# Allegro board RK_NVR_DEMO1_RK3588_LP4XD200P232SD8_V21_20211228_final_lint.brd (continued)
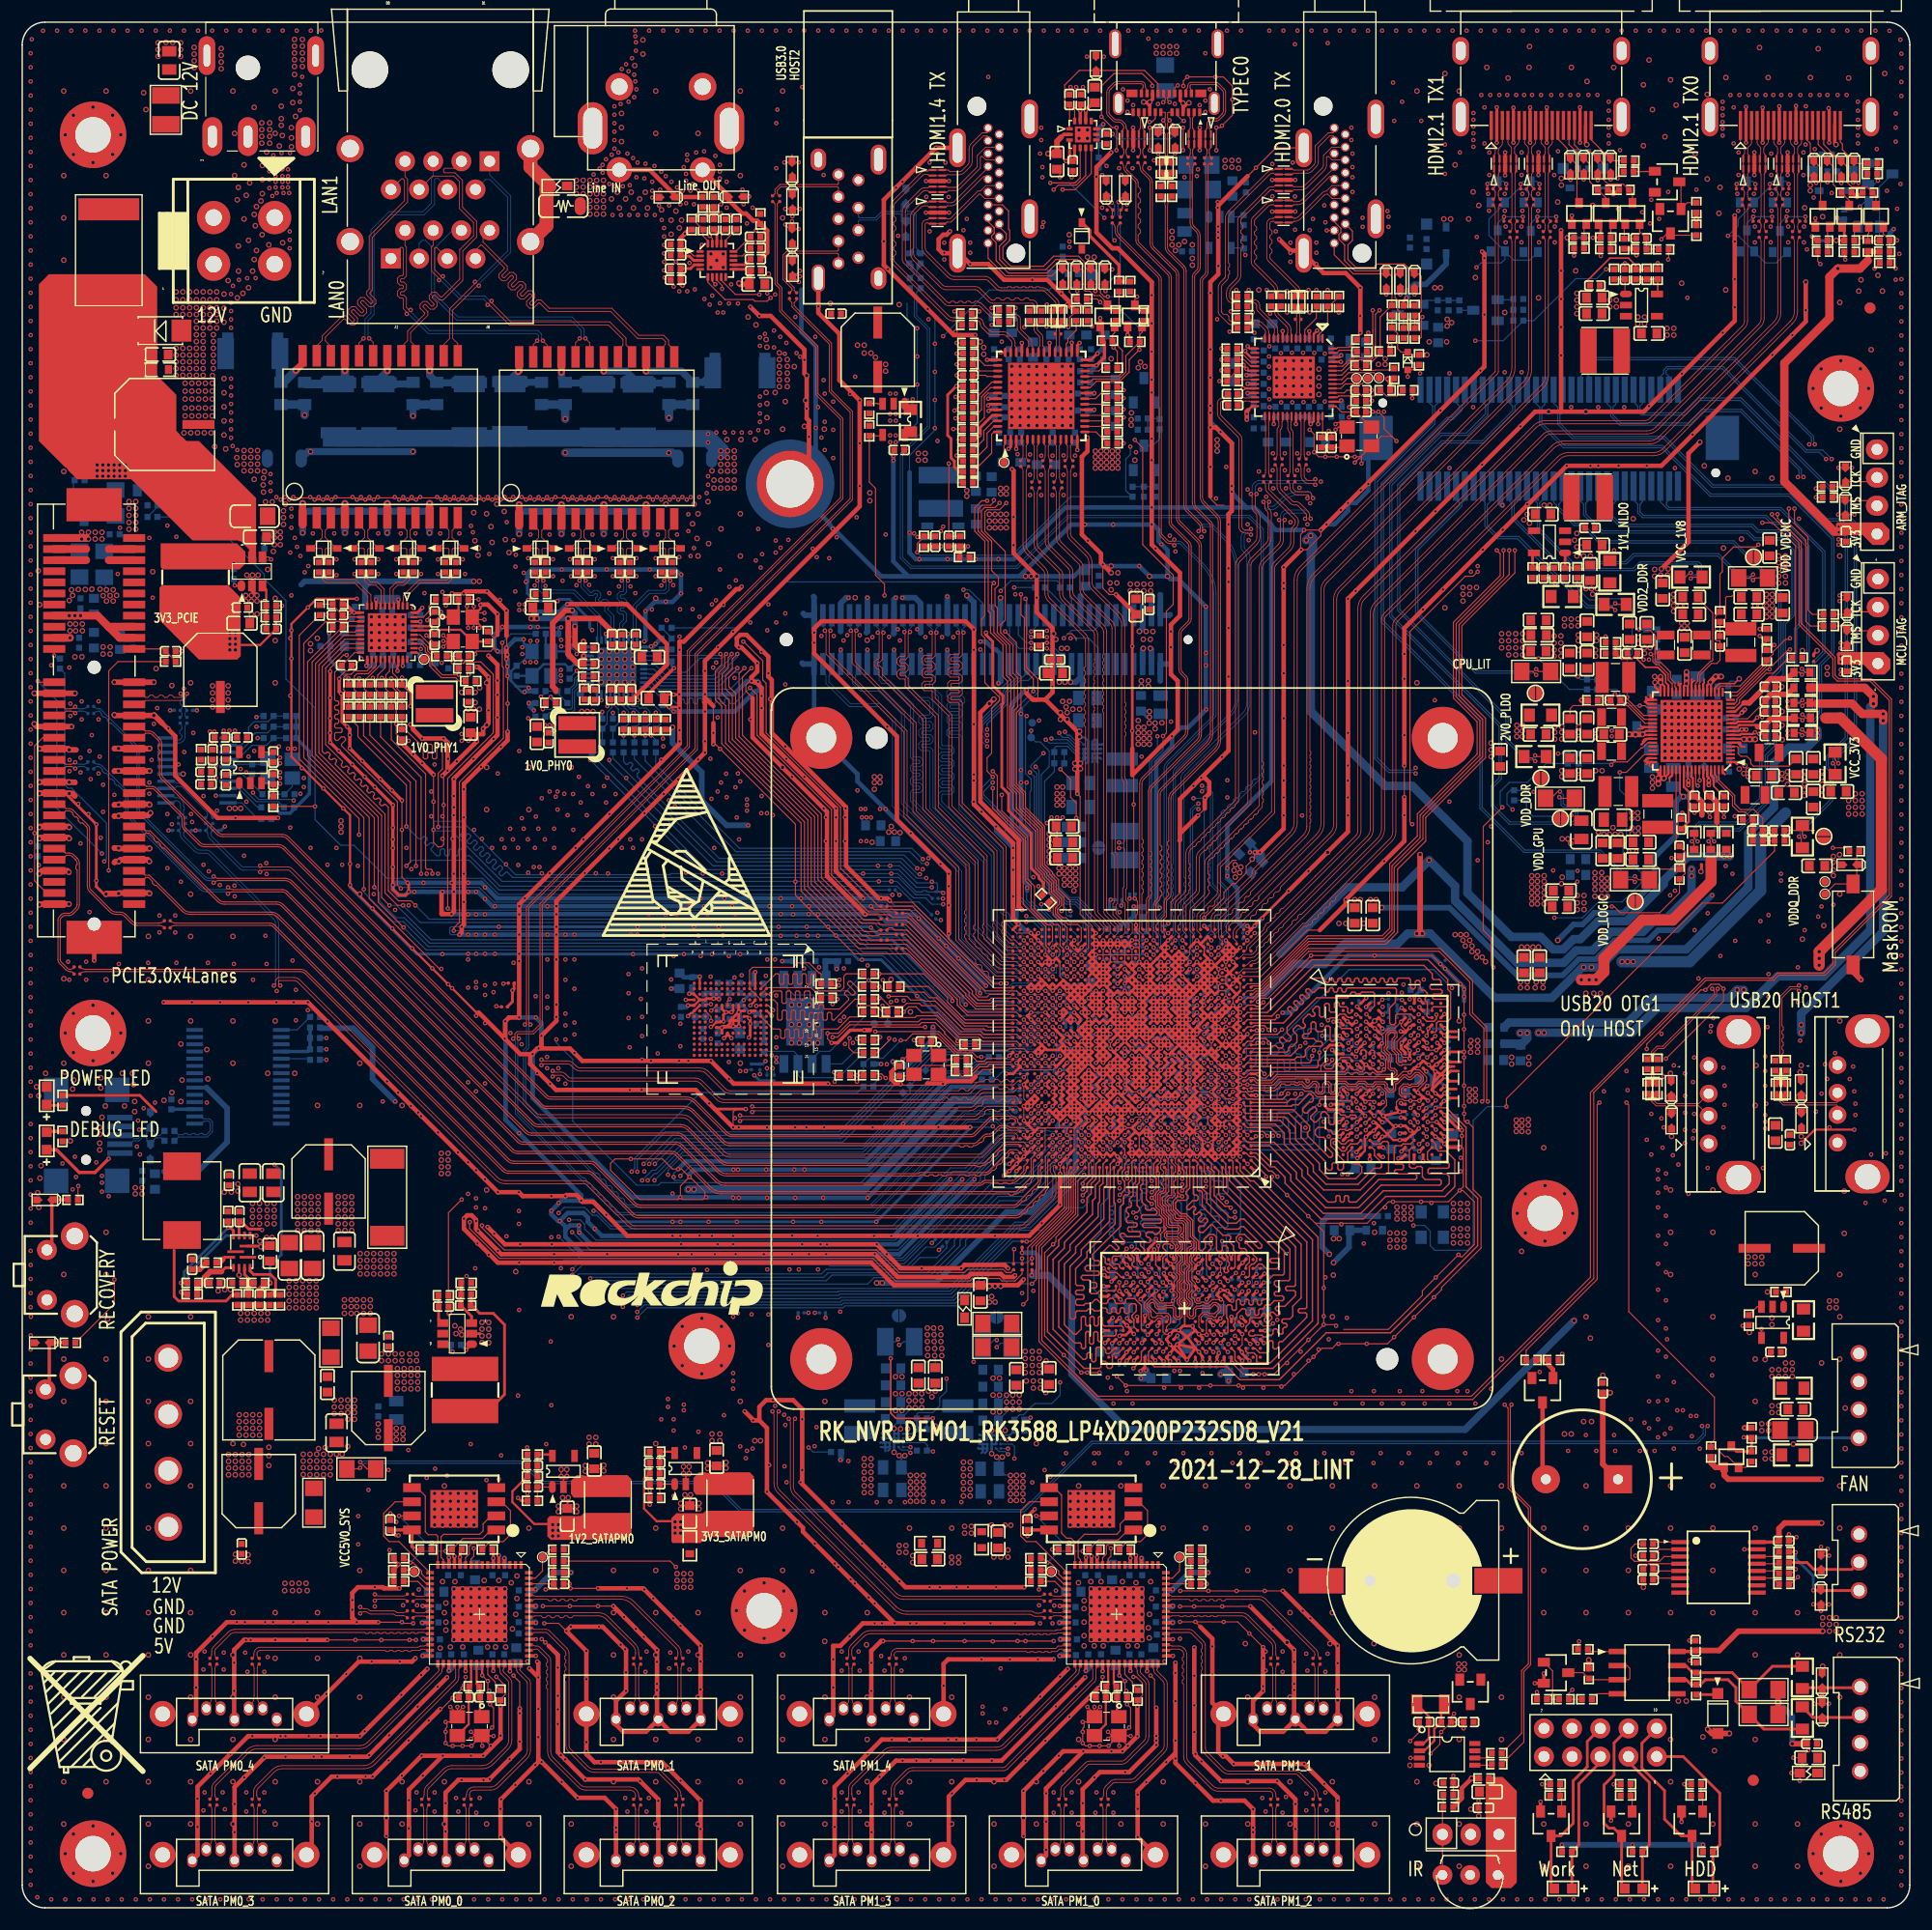
[diagram p0: board, top side]
## Routing (per net, layer and track width the routed paths; a pad name or vN(x,y) marks a point on that pad's centre or on a via; arc(x,y) is an arc through that point) (continued)
  vias: v1(0.76,167.17) v1(0.76,165.9) v1(0.76,164.63) v1(0.76,163.36) v1(0.76,162.09) v1(0.76,160.82) v1(0.76,159.55) v1(0.76,158.28) v1(0.76,157.01) v1(0.76,155.74) v1(0.76,154.47) v1(0.76,153.2) v1(0.76,151.93) v1(0.76,150.66) v1(0.76,149.39) v1(0.76,148.12) v1(0.76,146.85) v1(0.76,145.58) v1(0.76,144.31) v1(0.76,143.04) v1(0.76,141.77) v1(0.76,140.5) v1(0.76,139.23) v1(0.76,137.96) v1(0.76,136.69) v1(0.76,135.42) v1(0.76,134.15) v1(0.76,132.88) v1(0.76,131.61) v1(0.76,130.34) v1(0.76,129.07) v1(0.76,127.8) v1(0.76,126.53) v1(0.76,125.26) v1(0.76,123.99) v1(0.76,122.72) v1(0.76,121.45) v1(0.76,120.18) v1(0.76,118.91) v1(0.76,117.64) v1(0.76,116.37) v1(0.76,115.1) v1(0.76,113.83) v1(0.76,112.56) v1(0.76,111.29) v1(0.76,110.02) v1(0.76,108.75) v1(0.76,107.48) v1(0.76,106.21) v1(0.76,104.94) v1(0.76,103.67) v1(0.76,102.4) v1(0.76,101.13) v1(0.76,99.86) v1(0.76,98.59) v1(0.76,97.32) v1(0.76,96.05) v1(0.76,94.78) v1(0.76,93.51) v1(0.76,92.24) v1(0.76,90.97) v1(0.76,89.7) v1(0.76,88.43) v1(0.76,87.16) v1(0.76,85.89) v1(0.76,84.62) v1(0.76,83.35) v1(0.76,82.08) v1(0.76,80.81) v1(0.76,79.54) v1(0.76,78.27) v1(0.76,77) v1(0.76,75.73) v1(0.76,74.46) v1(0.76,73.19) v1(0.76,70.65) v1(0.76,69.38) v1(0.76,68.11) v1(0.76,66.84) v1(0.76,65.57) v1(0.76,64.3) v1(0.76,63.03) v1(0.76,61.76) v1(0.76,59.22) v1(0.76,57.95) v1(0.76,56.68) v1(0.76,55.41) v1(0.76,54.14) v1(0.79,53.28) v1(0.76,51.6) v1(0.76,50.33) v1(0.76,49.06) v1(0.76,47.79) v1(0.76,46.52) v1(0.76,45.25) v1(0.76,43.98) v1(0.76,42.71) v1(0.76,41.44) v1(0.76,40.17) v1(0.76,38.9) v1(0.76,37.63) v1(0.76,36.36) v1(0.76,35.09) v1(0.76,33.82) v1(0.76,32.55) v1(0.76,31.28) v1(0.76,30.01) v1(0.76,28.74) v1(0.76,27.47) v1(0.76,26.2) v1(0.76,24.93) v1(0.76,23.66) v1(0.76,22.39) v1(0.76,21.12) v1(0.76,19.85) v1(0.76,18.58) v1(0.76,17.31) v1(0.76,16.04) v1(0.76,14.77) v1(0.76,13.5) v1(0.76,12.23) v1(0.76,10.96) v1(0.76,9.69) v1(0.76,8.42) v1(0.76,7.15) v1(0.76,5.88) v1(0.76,4.61) v1(0.76,3.34) v1(0.76,2.07) v1(0.86,168.44) v1(1.36,0.95) v1(1.88,169.21) v1(2.61,112.01) v1(2.62,0.76) v1(3.15,169.21) v1(3.63,67.1) v1(3.89,0.76) v1(4.14,85.29) v1(4.24,111.8) v1(4.27,103.47) v1(4.27,102.46) v1(4.24,83.66) v1(4.42,169.21) v1(4.34,108.55) v1(4.34,107.43) v1(4.54,64.76) v1(4.75,67.71) v1(4.85,65.88) v1(5.05,99.51) v1(5.16,0.76) v1(5.26,103.67) v1(5.26,102.35) v1(5.26,95.95) v1(5.36,108.75) v1(5.36,107.13) v1(5.69,169.21) v1(5.76,85.29) v1(5.76,83.66) v1(5.97,98.6) v1(6.07,104.28) v1(6.07,89.76) v1(6.17,101.74) v1(6.27,105.71) v1(6.43,0.76) v1(6.68,67.2) v1(6.88,108.75) v1(6.88,107.13) v1(6.88,102.25) v1(6.96,169.21) v1(6.98,103.78) v1(7.08,96.46) v1(7.19,65.98) v1(7.19,65.37) v1(7.19,64.56) v1(7.29,101.24) v1(7.29,98.8) v1(7.7,0.76) v1(7.8,64.15) v1(8.23,169.21) v1(8.3,100.32) v1(8.61,120.24) v1(8.71,85.08) v1(8.81,124.4) v1(8.97,0.76) v1(9.5,169.21) v1(10.24,0.76) v1(10.34,68.62) v1(10.44,70.96) v1(10.54,70.15) v1(10.61,67.91) v1(10.77,169.21) v1(10.95,72.08) v1(11.35,85.18) v1(11.45,123.49) v1(11.45,101.44) v1(11.45,100.42) v1(11.51,0.76) v1(11.66,103.47) v1(11.76,118.1) v1(11.86,106.72) v1(11.96,72.59) v1(12.04,169.21) v1(12.16,108.15) v1(12.37,89.45) v1(12.37,87.93) v1(12.78,0.76) v1(13.08,124.6) v1(13.08,98.6) v1(13.08,93.72) v1(13.18,106.32) v1(13.31,169.21) v1(13.49,97.68) v1(13.79,89.45) v1(13.79,87.93) v1(13.89,123.59) v1(13.89,85.18) v1(14.09,103.07) v1(14.05,0.76) v1(14.3,92.5) v1(14.58,169.21) v1(14.58,109.9) v1(14.6,104.18) v1(15.21,98.6) v1(15.31,97.88) v1(15.32,0.76) v1(15.42,105.91) v1(15.85,169.21) v1(16.33,100.22) v1(16.33,94.02) v1(16.33,21.48) v1(16.33,8.78) v1(16.43,23.11) v1(16.43,10.41) v1(16.59,0.76) v1(16.63,72.59) v1(16.81,93.44) v1(16.74,85.18) v1(16.91,106.03) v1(16.91,104.97) v1(16.94,102.96) v1(16.94,101.85) v1(17.12,169.21) v1(17.32,106.03) v1(17.32,104.97) v1(17.45,102.96) v1(17.45,101.85) v1(17.55,98.9) v1(17.8,92.19) v1(17.86,0.76) v1(18.06,10.41) v1(18.16,23) v1(18.16,21.48) v1(18.26,8.88) v1(18.39,169.21) v1(18.82,145.47) v1(18.82,144.71) v1(18.82,143.94) v1(18.82,143.18) v1(18.82,142.42) v1(18.82,137.85) v1(18.82,137.09) v1(18.82,136.32) v1(18.82,135.56) v1(18.82,134.8) v1(18.82,134.04) v1(18.82,133.28) v1(18.82,132.51) v1(18.99,146.21) v1(18.97,131.77) v1(19.07,85.08) v1(19.12,92.14) v1(19.15,91.18) v1(19.13,0.76) v1(19.38,131.41) v1(19.52,146.75) v1(19.66,169.21) v1(19.68,102.66) v1(19.99,94.84) v1(20.09,23) v1(20.2,99.71) v1(20.19,10.41) v1(20.19,8.68) v1(20.27,146.91) v1(20.29,21.28) v1(20.39,103.78) v1(20.4,0.76) v1(20.8,83.66) v1(20.9,104.28) v1(20.93,169.21) v1(21.03,146.91) v1(21.67,0.76) v1(21.82,21.28) v1(21.82,10.41) v1(21.82,8.68) v1(21.99,94.18) v1(21.92,87.62) v1(22.02,93.18) v1(22.02,85.08) v1(22.2,169.21) v1(22.12,22.6) v1(22.27,157.31) v1(22.27,156.55) v1(22.27,155.78) v1(22.27,155.02) v1(22.38,129.24) v1(22.38,128.48) v1(22.38,127.72) v1(22.54,154.31) v1(22.63,157.98) v1(22.83,157.32) v1(22.83,156.71) v1(22.83,156.1) v1(22.83,155.59) v1(22.83,155.08) v1(22.9,127.17) v1(22.93,154.58) v1(22.93,82.64) v1(22.94,0.76) v1(23.14,104.69) v1(23.3,126.94) v1(23.24,103.67) v1(23.24,103.17) v1(23.24,102.35) v1(23.24,101.85) v1(23.24,101.34) v1(23.36,158.18) v1(23.47,169.21) v1(23.44,157.32) v1(23.44,156.71) v1(23.44,156.1) v1(23.44,155.59) v1(23.44,155.08) v1(23.54,154.58) v1(23.67,127.17) v1(23.95,157.32) v1(23.95,156.71) v1(23.95,156.1) v1(23.95,155.59) v1(23.95,155.08) v1(23.95,104.49) v1(24.05,154.58) v1(24.1,151.12) v1(24.1,150.36) v1(24.1,149.59) v1(24.12,158.18) v1(24.15,122.17) v1(24.15,114.44) v1(24.15,109.26) v1(24.15,97.38) v1(24.21,0.76) v1(24.25,126.13) v1(24.25,125.42) v1(24.25,124.4) v1(24.25,118.31) v1(24.36,85.39) v1(24.43,127.17) v1(24.56,123.49) v1(24.56,104.49) v1(24.66,82.75) v1(24.66,80) v1(24.74,169.21) v1(24.76,122.67) v1(25.02,164.32) v1(25.02,163.56) v1(25.02,162.8) v1(25.02,162.04) v1(25.07,121.86) v1(25.07,100.42) v1(25.19,102.74) v1(25.23,165.06) v1(25.37,101.85) v1(25.37,101.03) v1(25.45,120.39) v1(25.48,0.76) v1(25.78,120.95) v1(26.01,169.21) v1(25.95,127.17) v1(25.98,95.55) v1(26.19,123.89) v1(26.71,127.17) v1(26.75,0.76) v1(26.95,169.23) v1(27.48,127.17) v1(27.45,116.58) v1(27.51,94.02) v1(27.51,79.9) v1(28.02,0.76) v1(28.12,123.89) v1(28.24,127.17) v1(28.32,121.56) v1(28.32,120.13) v1(28.83,94.02) v1(29.29,0.76) v1(29.76,127.17) v1(29.94,121.56) v1(29.94,120.24) v1(30.15,123.89) v1(30.25,93.92) v1(30.52,127.17) v1(30.56,0.76) v1(30.66,103.37) v1(31.29,127.17) v1(31.6,110.86) v1(31.67,91.38) v1(31.83,0.76) v1(32.05,127.17) v1(32.08,123.89) v1(32.08,121.56) v1(32.08,120.24) v1(32.28,101.74) v1(32.41,110.86) v1(32.48,72.69) v1(33.09,32.25) v1(33.1,0.76) v1(33.3,100.73) v1(33.57,127.17) v1(33.6,89.96) v1(33.7,121.56) v1(33.7,120.24) v1(33.7,34.79) v1(34.11,123.89) v1(34.31,27.27) v1(34.33,127.17) v1(34.37,0.76) v1(34.82,105.2) v1(34.82,90.37) v1(35.1,127.17) v1(35.06,93.63) v1(35.02,72.28) v1(35.23,117.19) v1(35.43,123.89) v1(35.43,8.78) v1(35.58,27.27) v1(35.53,10.41) v1(35.64,0.76) v1(35.74,28.69) v1(35.86,127.17) v1(35.84,121.56) v1(35.94,120.24) v1(35.94,71.37) v1(36.24,118.51) v1(36.45,93.21) v1(36.45,38.75) v1(36.85,100.63) v1(36.85,98.39) v1(36.91,0.76) v1(37.16,103.07) v1(37.2,39.58) v1(37.16,10.41) v1(37.16,8.68) v1(37.38,127.17) v1(37.46,121.56) v1(37.46,120.24) v1(37.46,93.21) v1(37.67,123.89) v1(37.87,118.61) v1(37.87,98.39) v1(37.87,96.36) v1(38.14,127.17) v1(38.18,0.76) v1(38.28,38.96) v1(38.38,103.57) v1(38.38,83.25) v1(38.81,112.29) v1(38.78,96.36) v1(38.91,127.17) v1(38.89,100.22) v1(38.89,98.49) v1(38.89,93.21) v1(39.09,9.9) v1(39.29,8.68) v1(39.39,123.89) v1(39.45,0.76) v1(39.6,105.81) v1(39.6,105.2) v1(39.67,127.17) v1(39.7,121.56) v1(39.9,120.24) v1(40.23,111.17) v1(40.43,127.17) v1(40.43,124.58) v1(40.61,124) v1(40.71,97.17) v1(40.72,0.76) v1(40.82,57.65) v1(40.92,8.58) v1(41.02,59.89) v1(41.19,127.17) v1(41.22,9.9) v1(41.43,96.36) v1(41.83,38.55) v1(41.95,127.17) v1(41.99,0.76) v1(42.09,122.04) v1(42.03,58.87) v1(42.34,95.55) v1(42.72,127.17) v1(42.82,116.63) v1(42.85,102.25) v1(42.95,88.43) v1(42.95,38.65) v1(43.26,0.76) v1(43.48,127.17) v1(43.46,95.55) v1(43.66,124.91) v1(43.97,97.27) v1(43.99,78.86) v1(44.24,127.17) v1(44.27,123.28) v1(44.27,85.18) v1(44.47,121.96) v1(44.45,120.9) v1(44.53,0.76) v1(44.68,95.55) v1(44.68,46.17) v1(44.78,117.49) v1(44.78,116.98) v1(44.78,104.28) v1(44.78,53.89) v1(45,127.17) v1(45.18,120.34) v1(45.18,97.27) v1(45.29,117.49) v1(45.29,116.98) v1(45.5,41.5) v1(45.59,121.66) v1(45.59,107.23) v1(45.59,93.31) v1(45.76,127.17) v1(45.79,123.79) v1(45.8,0.76) v1(46.18,119.2) v1(46.2,95.55) v1(46.4,75.23) v1(46.51,97.27) v1(46.53,127.17) v1(47.11,106.62) v1(47.07,0.76) v1(47.15,119.16) v1(47.22,41.8) v1(47.29,127.17) v1(47.29,76.7) v1(47.29,75.68) v1(47.52,123.79) v1(47.52,106.62) v1(47.62,56.53) v1(47.62,51.05) v1(47.83,121.56) v1(47.83,120.03) v1(47.93,106.62) v1(47.95,106.09) v1(47.93,97.27) v1(47.93,95.55) v1(48.05,127.17) v1(48.13,81.42) v1(48.31,75.68) v1(48.31,74.67) v1(48.34,0.76) v1(48.69,119.63) v1(48.81,127.17) v1(49.15,98.49) v1(49.35,121.56) v1(49.45,120.03) v1(49.57,127.17) v1(49.61,0.76) v1(49.65,123.79) v1(49.65,97.17) v1(49.95,119.22) v1(50.16,101.95) v1(50.34,127.17) v1(50.87,98.49) v1(50.88,0.76) v1(51.1,127.17) v1(51.08,119.25) v1(51.38,123.79) v1(51.49,156.25) v1(51.59,121.56) v1(51.59,120.03) v1(51.86,127.17) v1(52.02,156.79) v1(52.15,0.76) v1(52.3,157.12) v1(52.3,156.41) v1(52.6,157.62) v1(52.62,127.17) v1(52.91,155.39) v1(52.91,118.51) v1(53.11,158.03) v1(53.19,152.6) v1(53.21,121.66) v1(53.21,120.03) v1(53.36,162.39) v1(53.36,161.63) v1(53.36,160.87) v1(53.36,160.11) v1(53.36,159.34) v1(53.36,158.58) v1(53.41,155.19) v1(53.38,127.17) v1(53.42,0.76) v1(53.52,123.79) v1(53.72,158.23) v1(53.77,119.12) v1(53.92,162.6) v1(53.95,152.6) v1(54.02,165.75) v1(54.13,155.19) v1(54.15,127.17) v1(54.41,166.19) v1(54.33,9.9) v1(54.43,101.85) v1(54.53,158.13) v1(54.53,8.68) v1(54.63,165.55) v1(54.63,162.81) v1(54.71,152.6) v1(54.63,84.17) v1(54.63,82.44) v1(54.63,80.21) v1(54.69,0.76) v1(54.73,155.29) v1(54.81,119.12) v1(54.73,77.56) v1(54.91,127.17) v1(54.95,166.73) v1(55.04,157.73) v1(55.22,169.21) v1(55.14,165.24) v1(55.14,163.21) v1(55.14,123.79) v1(55.24,168.7) v1(55.29,168.17) v1(55.29,167.41) v1(55.24,164.63) v1(55.24,118.51) v1(55.34,163.92) v1(55.34,156) v1(55.34,121.66) v1(55.34,120.03) v1(55.45,157.32) v1(55.48,152.6) v1(55.67,127.17) v1(55.75,81.93) v1(55.85,84.68) v1(55.85,80.31) v1(55.85,78.58) v1(55.85,76.45) v1(55.96,0.76) v1(56.06,155.9) v1(56.06,66.39) v1(56.16,157.22) v1(56.16,21.28) v1(56.24,152.6) v1(56.26,23.11) v1(56.26,8.68) v1(56.49,169.21) v1(56.43,127.17) v1(56.46,9.9) v1(56.77,155.59) v1(56.77,154.78) v1(56.77,154.17) v1(56.97,157.01) v1(57,152.6) v1(57.07,121.66) v1(57.07,120.03) v1(57.19,127.17) v1(57.27,123.79) v1(57.23,0.76) v1(57.38,153.46) v1(57.48,154.88) v1(57.58,156.51) v1(57.59,126.94) v1(57.59,119.2) v1(57.58,44.04) v1(57.62,152.15) v1(57.76,169.21) v1(57.78,88.44) v1(57.78,87.62) v1(57.83,151.42) v1(57.83,150.66) v1(57.83,149.9) v1(57.83,149.13) v1(57.83,148.37) v1(57.83,147.61) v1(57.88,146.96) v1(57.88,78.99) v1(57.99,156.1) v1(57.96,127.17) v1(57.99,89.55) v1(58.29,153.46) v1(58.29,21.58) v1(58.35,126.94) v1(58.39,23) v1(58.49,155.59) v1(58.47,83.69) v1(58.5,0.76) v1(58.7,146.14) v1(58.66,119.22) v1(58.7,85.79) v1(58.7,80.31) v1(58.7,43.02) v1(58.7,37.13) v1(58.72,127.17) v1(58.9,148.38) v1(59,155.08) v1(59,123.79) v1(59.03,169.21) v1(59.11,126.94) v1(59.21,145.72) v1(59.21,121.76) v1(59.31,153.56) v1(59.31,79.7) v1(59.31,77.67) v1(59.38,120.18) v1(59.51,154.78) v1(59.48,127.17) v1(59.61,156.91) v1(59.71,41.5) v1(59.81,156.3) v1(59.81,155.69) v1(59.81,153.66) v1(59.81,93.31) v1(59.77,0.76) v1(59.92,158.03) v1(59.92,157.52) v1(59.92,145.72) v1(59.87,126.94) v1(60.02,125.62) v1(60.02,124.1) v1(60.02,76.34) v1(60.02,23.11) v1(60.12,21.48) v1(60.3,169.21) v1(60.22,154.78) v1(60.24,127.17) v1(60.22,121.86) v1(60.42,155.39) v1(60.53,153.56) v1(60.61,145.89) v1(60.53,122.57) v1(60.73,158.23) v1(60.87,152.61) v1(60.93,154.78) v1(61,127.17) v1(60.93,87.62) v1(60.93,42.92) v1(61.03,60.6) v1(61.04,0.76) v1(61.14,85.79) v1(61.44,158.34) v1(61.47,145.03) v1(61.57,169.21) v1(61.54,154.79) v1(61.7,152.69) v1(61.68,127.53) v1(61.8,132.85) v1(61.8,132.09) v1(61.8,129.04) v1(61.8,128.28) v1(61.95,144.52) v1(62.02,83.94) v1(62.15,154.78) v1(62.31,0.76) v1(62.46,157.93) v1(62.55,132.99) v1(62.66,143.81) v1(62.76,88.44) v1(62.84,169.21) v1(62.86,157.12) v1(62.86,156.51) v1(62.86,155.9) v1(62.86,154.17) v1(62.86,144.65) v1(62.96,153.56) v1(62.96,152.75) v1(63.31,132.99) v1(63.47,155.59) v1(63.47,153.26) v1(63.58,0.76) v1(63.68,85.79) v1(63.68,76.24) v1(63.85,152.58) v1(63.88,146.35) v1(64.11,169.21) v1(64.07,132.99) v1(64.22,71.19) v1(64.89,154.88) v1(64.83,132.99) v1(64.85,0.76) v1(65,153.56) v1(65.3,151.83) v1(65.38,169.21) v1(65.5,154.27) v1(65.59,132.99) v1(65.61,115.87) v1(65.61,107.13) v1(65.81,153.26) v1(66.11,151.22) v1(66.09,150.13) v1(66.12,0.76) v1(66.32,124.3) v1(66.33,133.2) v1(66.47,141.56) v1(66.47,140.8) v1(66.47,136.23) v1(66.47,135.47) v1(66.47,134.71) v1(66.47,133.94) v1(66.65,169.21) v1(66.62,113.23) v1(67.13,57.55) v1(67.23,117.49) v1(67.23,53.48) v1(67.23,50.74) v1(67.39,0.76) v1(67.54,76.85) v1(67.74,142.18) v1(67.74,140.66) v1(67.92,169.21) v1(67.89,122.17) v1(67.84,45.25) v1(67.94,160.88) v1(67.94,156.81) v1(67.94,82.24) v1(67.94,78.48) v1(67.94,76.65) v1(68.04,162.09) v1(68.35,87.62) v1(68.65,44.44) v1(68.66,0.76) v1(68.76,104.69) v1(68.86,141.06) v1(68.86,103.57) v1(69.19,169.21) v1(69.37,60.6) v1(69.47,89.55) v1(69.77,140.15) v1(69.77,87.62) v1(69.97,57.55) v1(69.93,0.76) v1(70.28,164.13) v1(70.46,169.21) v1(70.48,101.95) v1(71.2,0.76) v1(71.7,135.27) v1(71.7,89.55) v1(71.7,87.62) v1(71.7,57.55) v1(71.73,169.21) v1(72.01,132.53) v1(72.01,114.65) v1(72.21,156.2) v1(72.21,137.71) v1(72.41,98.29) v1(72.41,96.16) v1(72.51,59.78) v1(72.47,0.76) v1(72.62,88.44) v1(73,169.21) v1(73.02,81.46) v1(73.12,114.65) v1(73.53,30.73) v1(73.63,83.66) v1(73.74,0.76) v1(73.84,23.11) v1(73.84,21.38) v1(73.84,10.41) v1(73.84,8.68) v1(74.05,80.31) v1(74.14,96.16) v1(74.27,169.21) v1(74.34,114.72) v1(74.45,40.28) v1(74.65,29.61) v1(74.85,77.97) v1(75.01,0.76) v1(75.36,23.11) v1(75.36,10.41) v1(75.46,132.02) v1(75.46,128.16) v1(75.46,114.72) v1(75.46,21.38) v1(75.46,8.68) v1(75.54,169.21) v1(75.56,96.16) v1(76.27,134.15) v1(76.27,83.61) v1(76.28,0.76) v1(76.6,114.55) v1(76.81,169.21) v1(77.39,22.7) v1(77.55,0.76) v1(77.7,21.38) v1(77.7,10.41) v1(77.7,8.58) v1(78.08,169.21) v1(78.1,114.57) v1(78.2,136.49) v1(78.2,134.66) v1(78.2,134.05) v1(78.2,132.73) v1(78.2,132.12) v1(78.2,36.62) v1(78.51,130.47) v1(78.61,78.25) v1(78.71,136.49) v1(78.71,134.66) v1(78.71,134.05) v1(78.71,132.73) v1(78.82,0.76) v1(78.92,150.72) v1(78.89,115.26) v1(79.22,21.38) v1(79.22,10.41) v1(79.22,8.58) v1(79.35,169.21) v1(79.32,155.59) v1(79.53,22.5) v1(80.09,0.76) v1(80.36,123.89) v1(80.62,169.21) v1(80.64,115.26) v1(81.14,93.62) v1(81.38,114.55) v1(81.36,0.76) v1(81.46,154.23) v1(81.66,94.61) v1(81.76,157.32) v1(81.76,151.12) v1(81.89,169.21) v1(82.47,158.13) v1(82.63,0.76) v1(82.78,124.1) v1(82.88,114.55) v1(82.98,124.5) v1(82.98,36.62) v1(83.08,150.11) v1(83.08,149.19) v1(83.08,148.58) v1(83.16,169.21) v1(83.18,157.32) v1(83.47,154.22) v1(83.89,114.55) v1(83.9,0.76) v1(84,143.91) v1(84.1,142.08) v1(84.2,28.9) v1(84.43,169.21) v1(84.81,151.22) v1(85.11,152.24) v1(85.17,0.76) v1(85.42,150.11) v1(85.42,149.19) v1(85.7,169.21) v1(85.72,99.71) v1(86.23,143.91) v1(86.44,0.76) v1(86.97,169.21) v1(87.04,165.04) v1(87.25,25.65) v1(87.35,144.21) v1(87.35,142.69) v1(87.45,24.02) v1(87.71,0.76) v1(88.24,169.21) v1(88.26,141.18) v1(88.98,0.76) v1(89.51,169.21) v1(89.51,144.21) v1(89.69,131.03) v1(90.09,55.41) v1(90.3,142.49) v1(90.25,0.76) v1(90.78,169.21) v1(90.8,131.01) v1(90.8,129.18) v1(90.8,127.35) v1(91.11,55.62) v1(91.52,0.76) v1(91.62,107.03) v1(91.62,28.69) v1(91.62,27.27) v1(91.72,158.13) v1(91.72,25.65) v1(91.82,160.47) v1(91.82,159.35) v1(91.82,130.9) v1(91.82,129.18) v1(91.82,127.35) v1(91.92,156.91) v1(91.92,156) v1(91.92,151.53) v1(92.05,169.21) v1(92.02,151.93) v1(92.3,142.54) v1(92.33,144.52) v1(92.63,38.85) v1(92.79,0.76) v1(92.84,130.9) v1(92.83,129.18) v1(92.84,127.35) v1(92.83,25.65) v1(92.99,27.25) v1(92.94,10.41) v1(92.94,8.58) v1(93.14,28.59) v1(93.32,169.21) v1(93.24,98.29) v1(93.75,98.29) v1(93.83,130.93) v1(93.83,129.18) v1(93.83,127.35) v1(93.85,49.83) v1(94.06,0.76) v1(94.16,144.52) v1(94.36,150.21) v1(94.36,149.7) v1(94.46,164.13) v1(94.59,169.21) v1(94.56,10.41) v1(94.56,8.58) v1(94.87,130.9) v1(94.87,129.18) v1(94.97,164.13) v1(95.33,0.76) v1(95.58,164.13) v1(95.55,64.76) v1(95.55,63.72) v1(95.86,169.21) v1(95.93,166.87) v1(96.39,142.56) v1(96.59,40.07) v1(96.6,0.76) v1(96.7,8.58) v1(96.8,10.41) v1(97.13,169.21) v1(97.31,156.2) v1(97.31,153.26) v1(97.46,166.87) v1(97.81,47.79) v1(97.87,0.76) v1(98.12,46.88) v1(98.32,45.46) v1(98.32,10.41) v1(98.32,8.58) v1(98.83,156.81) v1(98.88,64.86) v1(98.85,63.75) v1(99.03,156.2) v1(99.19,163.92) v1(99.14,0.76) v1(99.59,162.91) v1(99.59,161.89) v1(99.54,153.56) v1(99.54,46.58) v1(99.67,169.21) v1(100.1,162.5) v1(100.05,156.81) v1(100.05,45.46) v1(100.41,0.76) v1(100.94,169.21) v1(101.47,168.5) v1(101.57,156.81) v1(101.68,0.76) v1(101.78,136.59) v1(101.78,132.43) v1(101.78,130.5) v1(101.78,65.02) v1(101.98,157.52) v1(102.21,169.21) v1(102.34,162.6) v1(102.56,160.7) v1(102.89,46.88) v1(102.95,0.76) v1(103.4,123.69) v1(103.48,169.21) v1(103.5,115.05) v1(103.5,113.63) v1(103.63,160.7) v1(103.81,48.4) v1(103.85,162.6) v1(103.91,122.27) v1(104.22,0.76) v1(104.32,48.4) v1(104.32,24.25) v1(104.42,46.88) v1(104.52,65.22) v1(104.75,169.21) v1(104.72,156) v1(105.49,0.76) v1(105.84,156.1) v1(106.02,169.21) v1(105.94,156.71) v1(106.09,162.5) v1(106.04,46.88) v1(106.25,123.59) v1(106.35,48.2) v1(106.6,167.18) v1(106.6,162.91) v1(106.6,161.89) v1(106.65,65.02) v1(106.76,0.76) v1(107.01,163.92) v1(107.14,60.32) v1(107.72,153.76) v1(107.72,153.26) v1(107.76,151.56) v1(107.76,151.05) v1(107.76,150.54) v1(108.03,0.76) v1(108.56,169.21) v1(108.58,101.64) v1(108.53,63.62) v1(108.68,124.71) v1(108.68,120.74) v1(108.68,119.52) v1(108.68,115.36) v1(108.68,110.99) v1(108.79,142.08) v1(108.89,143.91) v1(109.27,62.73) v1(109.3,0.76) v1(109.4,145.84) v1(109.78,60.29) v1(109.83,169.21) v1(110.01,46.88) v1(110.41,127.86) v1(110.41,124.71) v1(110.51,145.84) v1(110.51,123.28) v1(110.57,0.76) v1(110.87,143.81) v1(110.92,48.1) v1(111.02,141.98) v1(111.07,105.96) v1(111.43,129.48) v1(111.43,48.1) v1(111.53,127.86) v1(111.68,69.56) v1(111.75,79.13) v1(111.81,77.97) v1(111.73,9.9) v1(111.83,46.88) v1(111.84,0.76) v1(111.94,48.1) v1(112.09,127.2) v1(112.04,23.11) v1(112.04,21.38) v1(112.04,8.68) v1(112.14,145.84) v1(112.37,169.21) v1(112.37,140.76) v1(112.34,139.84) v1(112.34,138.93) v1(112.34,137.91) v1(112.34,136.9) v1(112.37,135.98) v1(112.4,135.27) v1(112.44,143.71) v1(112.64,157.19) v1(112.65,154.27) v1(112.7,131.11) v1(112.67,129.58) v1(112.7,69.59) v1(112.72,127.96) v1(112.89,79.13) v1(112.95,151.12) v1(112.95,125.62) v1(113.08,53) v1(113.11,0.76) v1(113.42,140.15) v1(113.43,135.71) v1(113.46,46.98) v1(113.56,23.11) v1(113.56,21.28) v1(113.56,8.58) v1(113.64,169.21) v1(113.76,131.11) v1(113.76,129.58) v1(113.87,127.96) v1(113.87,10) v1(113.97,145.74) v1(113.97,143.81) v1(113.97,49.12) v1(114.27,150.11) v1(114.27,149.19) v1(114.27,148.38) v1(114.27,124.91) v1(114.4,140.18) v1(114.38,0.76) v1(114.48,157.32) v1(114.44,135.71) v1(114.58,48.1) v1(114.68,167.99) v1(114.68,154.27) v1(114.68,151.27) v1(114.7,73.37) v1(114.91,169.21) v1(114.88,131.11) v1(114.88,129.58) v1(115.09,128.01) v1(115.19,50.13) v1(115.41,140.18) v1(115.45,135.72) v1(115.69,22.9) v1(115.69,10.3) v1(115.69,8.78) v1(115.65,0.76) v1(115.8,124.71) v1(115.8,21.38) v1(115.9,145.84) v1(115.9,131.11) v1(115.9,129.58) v1(115.9,49.32) v1(116,151.22) v1(116,143.81) v1(116.05,126.61) v1(116.18,169.21) v1(116.3,152.24) v1(116.41,135.78) v1(116.42,140.16) v1(116.61,150.11) v1(116.61,149.19) v1(116.61,148.18) v1(116.61,145.84) v1(116.81,50.33) v1(116.92,0.76) v1(117.02,128.57) v1(117.09,79.6) 